# Altium PCB (0)SAT62088M-V1.3 0410.PcbDoc (part 1 of 2)
Units mm, origin at the board's own origin, x right, y up, seen from the top; angles counter-clockwise.
Board outline 68.13 x 50.13 mm, 2 copper layers (Top Layer, Bottom Layer); 136 components, 78 nets, 419 pads, 399 vias.
Unrouted connection lines stored in the file: 95.
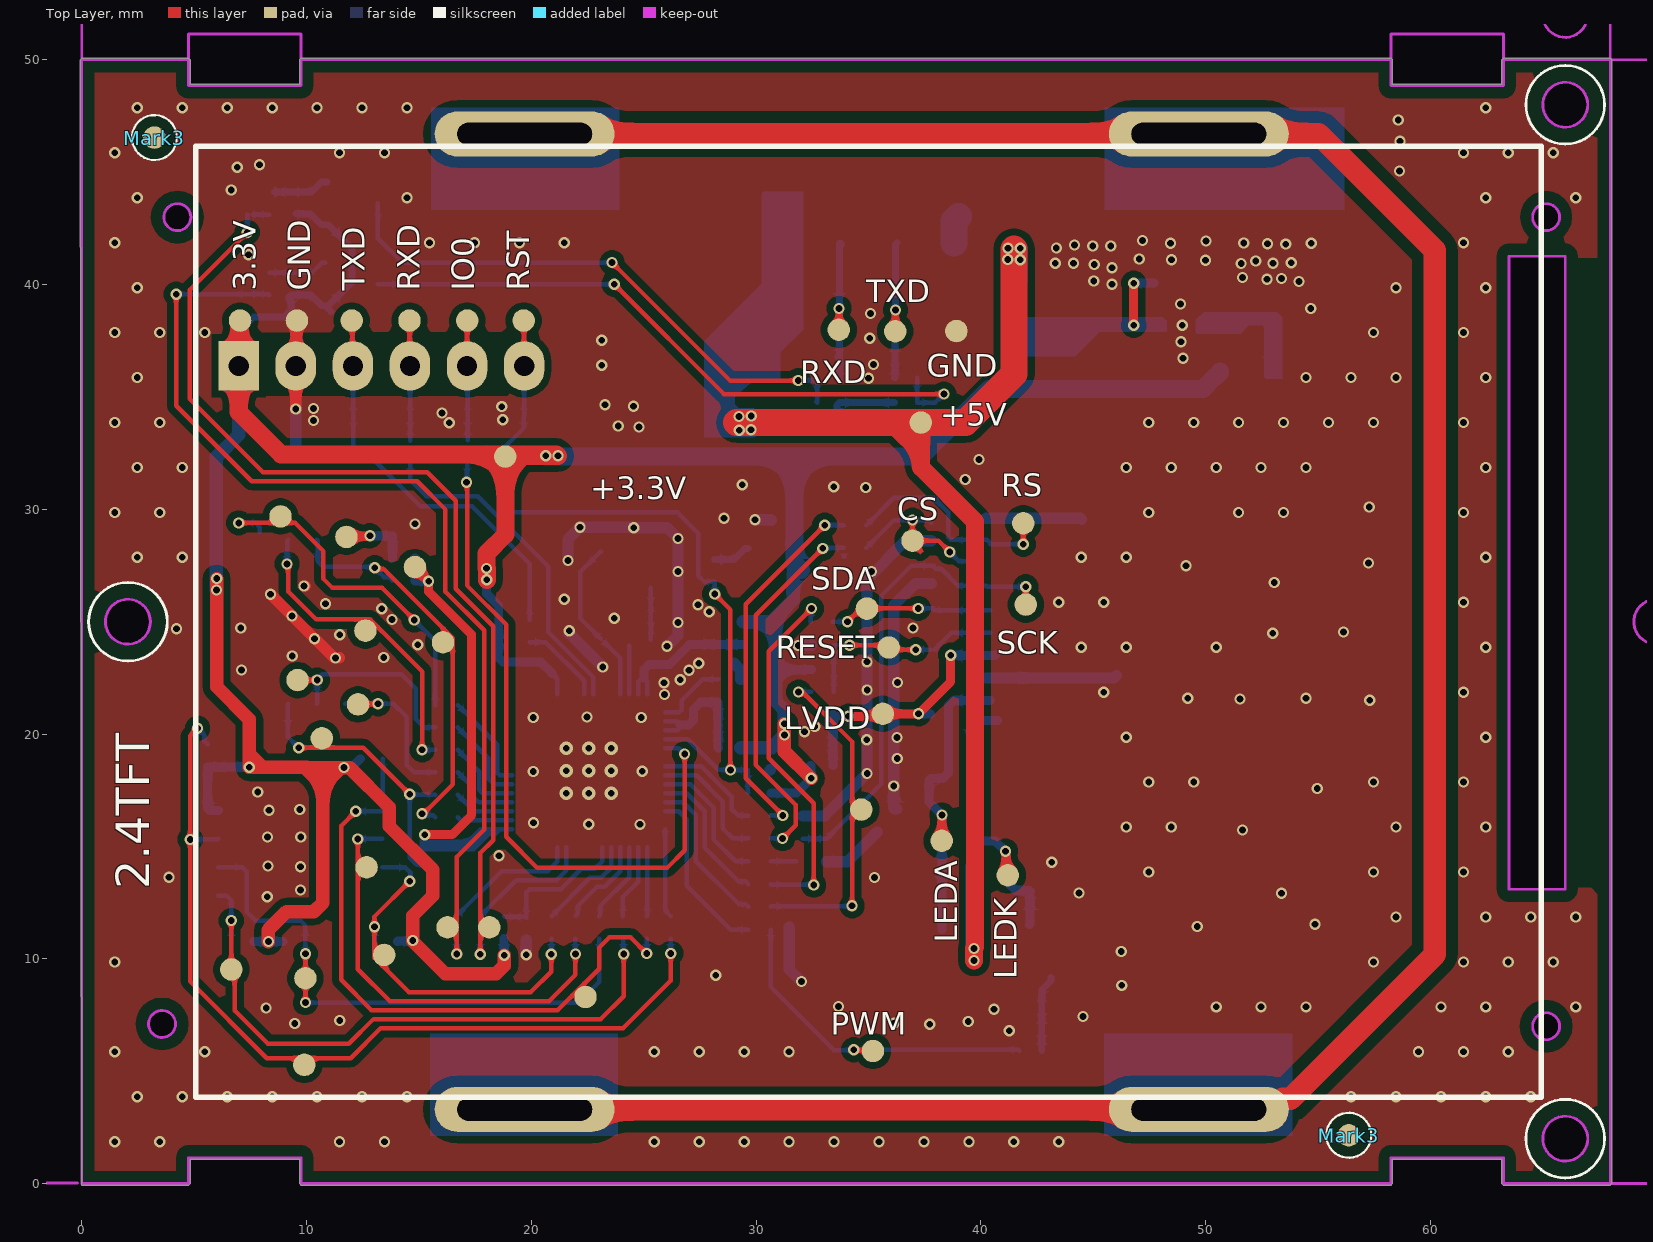
[diagram p0: Top Layer view]
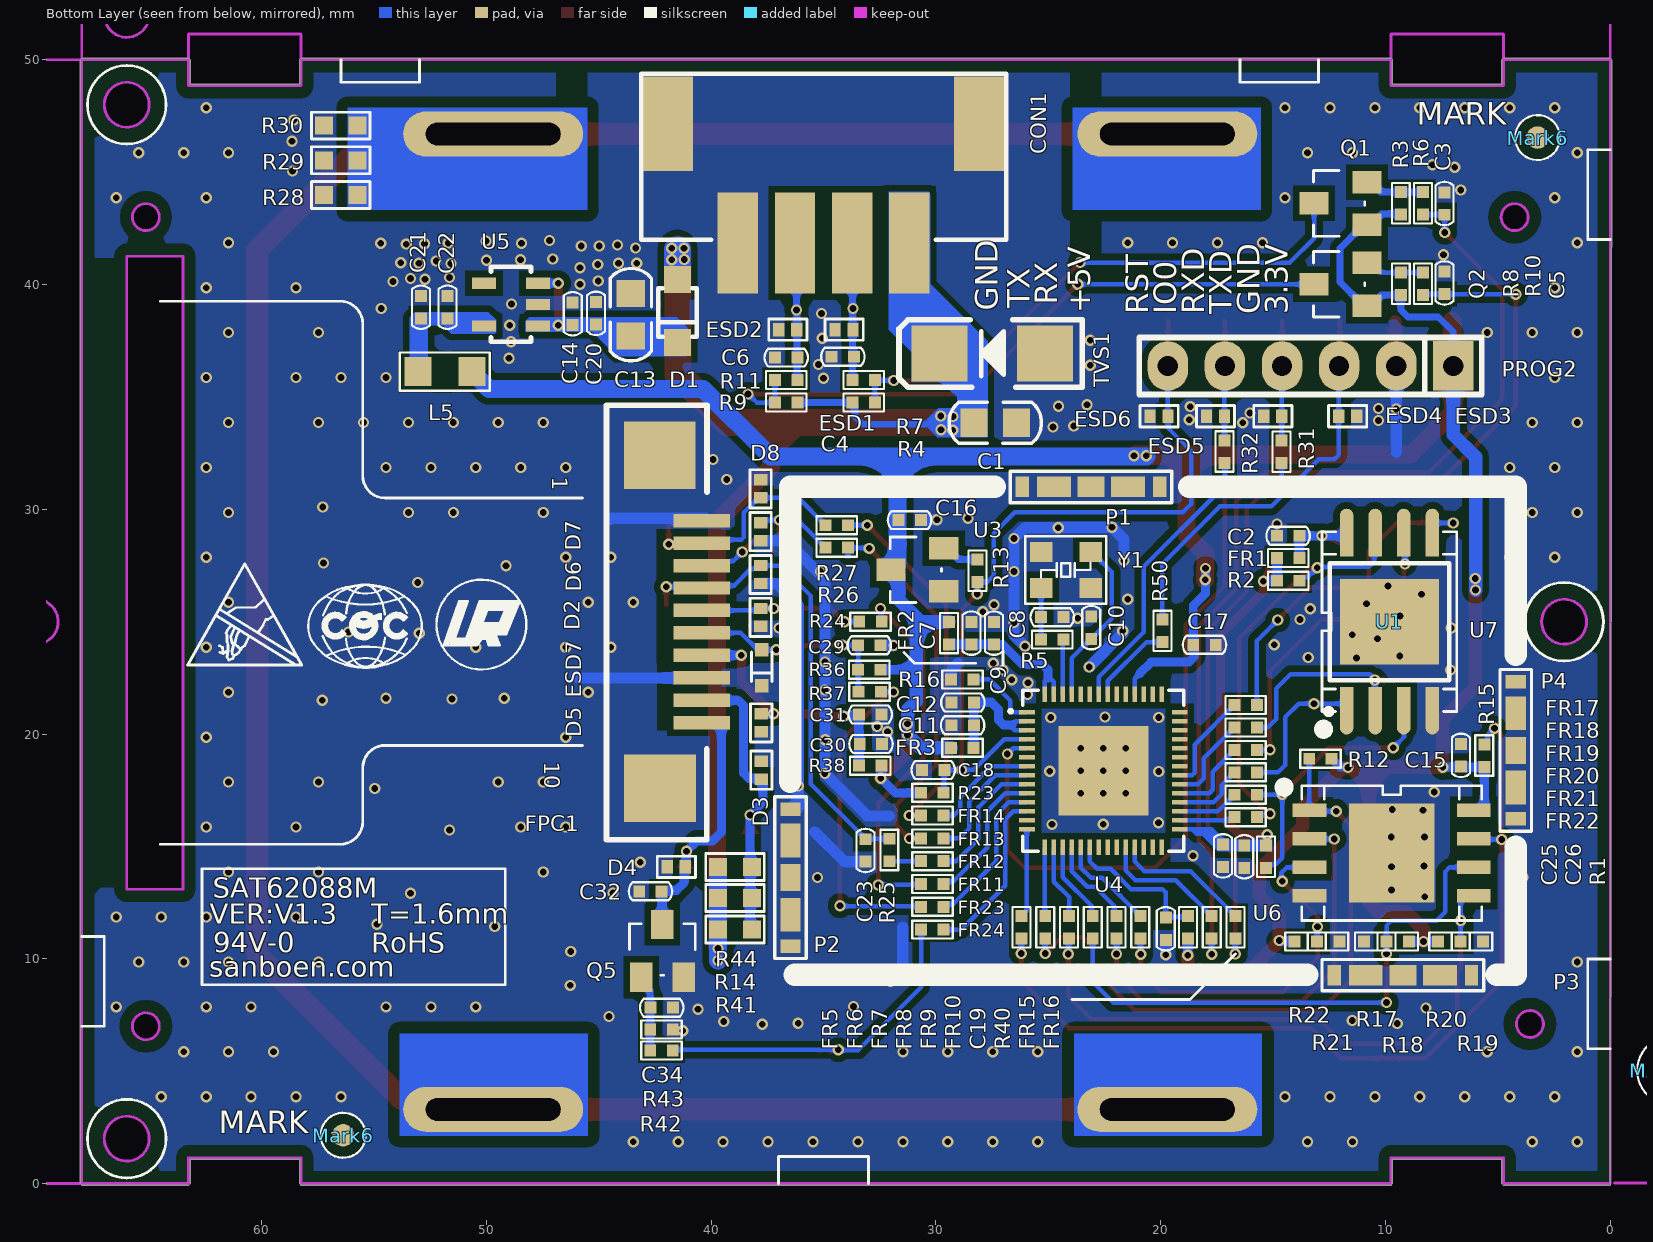
[diagram p1: Bottom Layer view, seen from below]

## Layer stack, top to bottom
Top Solder: solder mask 0.0102, Solder Resist, Dk 3.5
Top Layer: signal copper 0.0356
Dielectric 1: dielectric 0.32, FR-4, Dk 4.8
Bottom Layer: signal copper 0.0356
Bottom Solder: solder mask 0.0102, Solder Resist, Dk 3.5

## Board outline
0,-0.064 4.75,-0.064 4.814,0 4.814,1.086 9.686,1.086 9.686,0 9.75,-0.064 58.25,-0.064 58.314,0 58.314,1.086 63.186,1.086 63.186,0 63.25,-0.064 68,-0.064 68.064,0 68.064,50 68,50.064 63.25,50.064 63.186,50 63.186,48.914 58.314,48.914 58.314,50 58.25,50.064 9.75,50.064 9.686,50 9.686,48.914 4.814,48.914 4.814,50 4.75,50.064 0,50.064 -0.064,50
cut-out: 65,2 ccw(c66,2) 66,1 ccw(c66,2) 67,2 ccw(c66,2) 66,3 ccw(c66,2)
cut-out: 65,48 ccw(c66,48) 66,47 ccw(c66,48) 67,48 ccw(c66,48) 66,49 ccw(c66,48)
cut-out: 64.55,43 ccw(c65.15,43) 65.15,42.4 ccw(c65.15,43) 65.75,43 ccw(c65.15,43) 65.15,43.6 ccw(c65.15,43)
cut-out: 64.55,7 ccw(c65.15,7) 65.15,6.4 ccw(c65.15,7) 65.75,7 ccw(c65.15,7) 65.15,7.6 ccw(c65.15,7)
cut-out: 3.65,43 ccw(c4.25,43) 4.25,42.4 ccw(c4.25,43) 4.85,43 ccw(c4.25,43) 4.25,43.6 ccw(c4.25,43)
cut-out: 1.05,25 ccw(c2.05,25) 2.05,24 ccw(c2.05,25) 3.05,25 ccw(c2.05,25) 2.05,26 ccw(c2.05,25)
cut-out: 2.97,7.103 ccw(c3.57,7.103) 3.57,6.503 ccw(c3.57,7.103) 4.17,7.103 ccw(c3.57,7.103) 3.57,7.703 ccw(c3.57,7.103)
cut-out: 63.5,13.1 63.5,41.26 66,41.26 66,13.1

## Design rules (kind name [scope] priority, off if disabled: settings)
Clearance Clearance_1 [InNetClass('New Class')] p1: gap=0.2 ignorepadtopadclearanceinfootprint=FALSE except(0: Arc-Hole Track-Hole SMDPad-Hole THPad-Hole Via-Hole Fill-Hole Poly-Hole Region-Hole Text-Hole)
Clearance KEEP [OnLayer('Keep-Out Layer')] p2: gap=0.5 ignorepadtopadclearanceinfootprint=FALSE except(0: Arc-Hole Track-Hole SMDPad-Hole THPad-Hole Via-Hole Fill-Hole Poly-Hole Region-Hole Text-Hole)
Clearance SGND [InNet('S-GND')] p3: gap=0.5 ignorepadtopadclearanceinfootprint=FALSE except(0: Arc-Hole Track-Hole SMDPad-Hole THPad-Hole Via-Hole Fill-Hole Poly-Hole Region-Hole Text-Hole)
Clearance +5V [InNet('+5V')] p4: gap=0.3 ignorepadtopadclearanceinfootprint=FALSE except(0: Arc-Hole Track-Hole SMDPad-Hole THPad-Hole Via-Hole Fill-Hole Poly-Hole Region-Hole Text-Hole)
Clearance +5V_1 [InNet('+5V-IN')] p5: gap=0.3 ignorepadtopadclearanceinfootprint=FALSE except(0: Arc-Hole Track-Hole SMDPad-Hole THPad-Hole Via-Hole Fill-Hole Poly-Hole Region-Hole Text-Hole)
Clearance 3V3 [InNet('3V3')] p6: gap=0.3 ignorepadtopadclearanceinfootprint=FALSE except(0: Arc-Hole Track-Hole SMDPad-Hole THPad-Hole Via-Hole Fill-Hole Poly-Hole Region-Hole Text-Hole)
Clearance 3V3_1 [InNet('VDD3.3V')] p7: gap=0.3 ignorepadtopadclearanceinfootprint=FALSE except(0: Arc-Hole Track-Hole SMDPad-Hole THPad-Hole Via-Hole Fill-Hole Poly-Hole Region-Hole Text-Hole)
Clearance [All] p8: gap=0.3 ignorepadtopadclearanceinfootprint=FALSE except(0: Arc-Hole Track-Hole SMDPad-Hole THPad-Hole Via-Hole Fill-Hole Poly-Hole Region-Hole Text-Hole; 0.2: Arc-Arc Arc-Track Arc-SMDPad Arc-THPad Arc-Via Track-Track Track-SMDPad Track-THPad Track-Via)
PolygonConnect [All] p1: connectstyle=Direct reliefconductorwidth=0.254 reliefentries=4 polygonreliefangle="90 Angle" airgapwidth=0.254
RoutingVias [All] p1: holewidth=0.3 width=0.5 viastyle="Through Hole" minholewidth=0.3 minwidth=0.5 maxholewidth=0.3 maxwidth=0.5
SolderMaskExpansion [All] p1: expansion=0.102 istentingtop=FALSE
Width [All] p1: maxlimit=2 minlimit=0.2 preferedwidth=0.3
30 further rules are at their usual default settings.

## Components (designator, comment, footprint, x,y, rotation, side; value= is the part's Value field where it differs from the comment)
C1 "NC/22uF/25V" C-0805T 27.36,33.85 r180 bottom
C2 "0.1uF/50V" C-0402T 14.33,28.823 r0 bottom
C3 "NC/100pF/50V" C-0402T 7.373,43.605 r90 bottom
C4 "100pF/50V" C-0402T 34.14,36.79 r0 bottom
C5 "NC/100pF/50V" C-0402T 7.373,40.074 r90 bottom
C6 "100pF/50V" C-0402T 36.66,36.75 r0 bottom
C7 "10uF/10V" C-0402T 28.42,24.493 r90 bottom
C8 "9pF/50V" C-0402T 24.82,25.203 r180 bottom
C9 "0.1uF/50V" C-0402T 27.42,24.493 r90 bottom
C10 "9pF/50V" C-0402T 23.089,24.737 r90 bottom
C11 "10uF/10V" C-0402T 28.81,20.393 r0 bottom
C12 "0.1uF/50V" C-0402T 28.8,21.403 r0 bottom
C13 "22uF/25V" C-0805T 43.57,38.66 r270 bottom
C14 "0.1uF/50V" C-0402T 46.16,38.7 r270 bottom
C15 "0.1uF/50V" C-0402T 6.64,19.053 r90 bottom
C16 "0.1uF/50V" C-0402T 31.172,29.52 r180 bottom
C17 "0.1uF/50V" C-0402T 18.05,23.973 r180 bottom
C18 "NC/1uF/50V" C-0402T 30.12,18.403 r0 bottom
C19 "0.1uF/50V" C-0402T 19.772,11.338 r270 bottom
C20 "100pF/50V" C-0402T 45.12,38.72 r270 bottom
C21 "0.1uF/50V" C-0402T 52.91,38.99 r270 bottom
C22 "10uF/10V" C-0402T 51.73,38.99 r270 bottom
C23 "NC" C-0402T 33.13,14.823 r270 bottom
C25 "10uF/10V" C-0402T 17.23,14.583 r270 bottom
C26 "0.1uF/50V" C-0402T 16.28,14.543 r270 bottom
C29 "NC" C-0402T 32.96,23.953 r180 bottom
C30 "10uF/10V" C-0402T 32.89,19.563 r180 bottom
C31 "0.1uF/50V" C-0402T 32.92,20.873 r180 bottom
C32 "0.1uF/50V" C-0402T 42.7,13.003 r0 bottom
C34 "NC" C-0402T 42.2,7.827 r180 bottom
CON1 "XHB-4P-2.54mm 立式 不带扣" 立式贴片2.54-4P 35,44.5 r0 bottom locked
D1 "A7" SOD-123FL 41.5,38.83 r270 bottom
D2 "NC" 二极管-DFN-1006(0402) 37.8,25.193 r270 bottom
D3 "NC" 二极管-DFN-1006(0402) 37.76,18.393 r90 bottom
D4 "NC" 二极管-DFN-1006(0402) 41.55,14.093 r0 bottom
D5 "NC" 二极管-DFN-1006(0402) 37.77,20.503 r270 bottom
D6 "NC" 二极管-DFN-1006(0402) 37.8,27.1 r270 bottom
D7 "NC" 二极管-DFN-1006(0402) 37.8,29.007 r270 bottom
D8 "NC" 二极管-DFN-1006(0402) 37.8,30.913 r90 bottom
ESD1 "BV-FA05UCA" 二极管-DFN-1006(0402) 34.085,37.995 r0 bottom
ESD2 "BV-FA05UCA" 二极管-DFN-1006(0402) 36.59,38 r180 bottom
ESD3 "NC/BV-FA05UCA" 二极管-DFN-1006(0402) 11.68,34.14 r180 bottom
ESD4 "NC/BV-FA05UCA" 二极管-DFN-1006(0402) 15.01,34.14 r0 bottom
ESD5 "NC/BV-FA05UCA" 二极管-DFN-1006(0402) 17.56,34.14 r0 bottom
ESD6 "NC/BV-FA05UCA" 二极管-DFN-1006(0402) 20.07,34.14 r0 bottom
ESD7 "NC/LESD5Z3.3T1G 单向" SOD-523 37.75,22.943 r90 bottom
FPC1 "Pitch 1mm 10PIN 翻盖" FPC-10P-pitch1.00mm 41.35,25 r270 bottom
FR1 "磁珠 300R" R-0402T 14.32,27.833 r0 bottom
FR2 "磁珠 300R" R-0402T 29.42,24.493 r270 bottom
FR3 "磁珠 300R" R-0402T 28.82,19.39 r180 bottom
FR5 "0R" R-0402T 26.194,11.403 r90 bottom
FR6 "0R" R-0402T 25.136,11.403 r90 bottom
FR7 "0R" R-0402T 24.078,11.403 r90 bottom
FR8 "0R" R-0402T 23.02,11.403 r90 bottom
FR9 "0R" R-0402T 21.962,11.403 r90 bottom
FR10 "0R" R-0402T 20.904,11.403 r90 bottom
FR11 "0R" R-0402T 30.154,13.33 r180 bottom
FR12 "0R" R-0402T 30.154,14.345 r180 bottom
FR13 "0R" R-0402T 30.154,15.359 r180 bottom
FR14 "0R" R-0402T 30.154,16.374 r180 bottom
FR15 "0R" R-0402T 17.73,11.403 r90 bottom
FR16 "0R" R-0402T 16.672,11.403 r90 bottom
FR17 "0R" R-0402T 16.22,21.292 r0 bottom
FR18 "0R" R-0402T 16.22,20.294 r0 bottom
FR19 "0R" R-0402T 16.22,19.297 r0 bottom
FR20 "0R" R-0402T 16.22,18.299 r0 bottom
FR21 "0R" R-0402T 16.22,17.301 r0 bottom
FR22 "0R" R-0402T 16.22,16.303 r0 bottom
FR23 "0R" R-0402T 30.154,12.315 r180 bottom
FR24 "0R" R-0402T 30.154,11.301 r180 bottom
L5 "300R/磁珠" R-0805 51.85,36.13 r180 bottom
Mark3 "Mark点" MARK-0.4开窗 56.37,2.15 r90 top
Mark3 "Mark点" MARK-0.4开窗 3.23,46.54 r90 top
Mark6 "Mark点" MARK-0.4开窗 56.37,2.15 r90 bottom
Mark6 "Mark点" MARK-0.4开窗 3.23,46.54 r90 bottom
MARK14 "Mark点" MARK -2.7,5.03 r0 bottom
MARK14 "Mark点" MARK 138.5,5 r180 bottom
MARK14_1 "Mark点" MARK -2.69,181.67 r0 bottom
MARK14_1 "Mark点" MARK 138.49,181.64 r180 bottom
P1 "" 屏蔽夹子-大号6.5mm 23.1,31 r180 bottom
P2 "" 屏蔽夹子-大号6.5mm 36.47,13.613 r270 bottom
P3 "" 屏蔽夹子-大号6.5mm 9.22,9.273 r180 bottom
P4 "" 屏蔽夹子-大号6.5mm 4.2,19.273 r270 bottom
PROG2 "NC/SIP6" SIP6 6.98,36.38 r0 bottom
Q1 "2N7002" SOT-23-3* 12.023,43.61 r90 bottom
Q2 "2N7002" SOT-23-3* 12.023,40.014 r90 bottom
Q5 "AO3400A" SOT-23-MOS 42.17,10.377 r90 bottom
R1 "10K" R-0402T 15.31,14.543 r90 bottom
R2 "10K" R-0402T 14.32,26.823 r0 bottom
R3 "10K" R-0402T 9.313,43.615 r90 bottom
R4 "10K" R-0402T 33.21,34.75 r180 bottom
R5 "24nH" R-0402T 24.82,24.203 r0 bottom
R6 "33R" R-0402T 8.333,43.615 r90 bottom
R7 "100R" R-0402T 33.21,35.75 r180 bottom
R8 "10K" R-0402T 9.313,40.034 r90 bottom
R9 "10K" R-0402T 36.66,34.75 r0 bottom
R10 "100R" R-0402T 8.333,40.034 r270 bottom
R11 "33R" R-0402T 36.66,35.75 r180 bottom
R12 "4.7K" R-0402T 12.89,18.903 r0 bottom
R13 "100R" R-0402T 28.151,27.27 r90 bottom
R14 "68R" R-0603T 38.94,12.703 r0 bottom
R15 "NC/4.7K" R-0402T 5.6,19.043 r90 bottom
R16 "NC/50R" R-0402T 28.82,22.434 r0 bottom
R17 "NC/4.7K" R-0402T 10.451,10.77 r180 bottom
R18 "4.7K" R-0402T 9.451,10.77 r180 bottom
R19 "NC/4.7K" R-0402T 6.151,10.77 r0 bottom
R20 "4.7K" R-0402T 7.151,10.77 r0 bottom
R21 "NC/4.7K" R-0402T 12.551,10.77 r0 bottom
R22 "4.7K" R-0402T 13.551,10.77 r0 bottom
R23 "NC/10K" R-0402T 30.154,17.389 r0 bottom
R24 "33R" R-0402T 32.91,25.003 r180 bottom
R25 "33R" R-0402T 32.07,14.843 r270 bottom
R26 "33R" R-0402T 34.41,28.293 r180 bottom
R27 "33R" R-0402T 34.41,29.293 r180 bottom
R28 "0R/0603" R-0603T 56.48,43.99 r180 bottom
R29 "0R/0603" R-0603T 56.48,45.53 r180 bottom
R30 "0R/0603" R-0603T 56.48,47.07 r180 bottom
R31 "33R" R-0402T 14.62,32.56 r270 bottom
R32 "33R" R-0402T 17.16,32.57 r270 bottom
R36 "NC" R-0402T 32.97,22.863 r180 bottom
R37 "33R" R-0402T 32.95,21.883 r0 bottom
R38 "0R" R-0402T 32.924,18.595 r180 bottom
R40 "0R" R-0402T 18.788,11.403 r90 bottom
R41 "68R" R-0603T 38.94,11.313 r0 bottom
R42 "1K" R-0402T 42.21,5.917 r0 bottom
R43 "10K" R-0402T 42.21,6.857 r0 bottom
R44 "NC/68R" R-0603T 38.94,14.083 r0 bottom
R50 "499R 1%" R-0402T 19.92,24.593 r270 bottom
TVS1 "SMAJ6.0A" SMA-SMAF 27.49,36.93 r180 bottom
U1 "NC/W25Q128JVSIQ/ZB25VQ128ASIGT" W25Q32 9.82,25.003 r90 bottom
U3 "LP3809-263B3F" SOT-23-3* 30.851,27.31 r90 bottom
U4 "ESP32-S3-R2" QFN-56 22.551,18.37 r180 bottom
U5 "LP3987H-33B5F" SOT-23-5 47.7,38.158 r90 bottom
U6 "W25N01GVZEIG" SOP8-1+ 9.72,14.703 r0 bottom
U7 "GD25Q256EYIGR" SOP8-1+ 9.82,25.003 r270 bottom
Y1 "40MHZ/8PF" "CRYSTAL SMT:NX3225GA" 24.22,27.303 r0 bottom

## Footprints (in the part's own frame and the unit in brackets; to place one, negate y for a bottom-side part, rotate by r counter-clockwise, add the part's x,y. Pads: shape width x height; smd on the part's side, far side on the other; paste and mask are expansions set on the pad)
C-0402T [mm]
  rect 0.53x0.53 smd: 1(-0.5,0) 2(0.5,0)
  silkscreen extent -0.97,-0.4 0.97,0.4
C-0805T [mm]
  rect 1.2x1.27 smd: 1(-0.95,0) 2(0.95,0)
  silkscreen extent -2.05,-0.91 2.05,0.91, body extent -1.01,-0.61 0.99,0.64, height 0.78
"CRYSTAL SMT:NX3225GA" [mm]
  rect 1x0.9 smd: 1(-1.1,-0.8) 2(1.1,-0.8) 3(1.1,0.8) 4(-1.1,0.8)
  silkscreen extent -1.8,-1.5 1.8,1.5
FPC-10P-pitch1.00mm [mm]
  rect 0.6x2.5 smd: 1(-4.5,0.935) 2(-3.5,0.935) 3(-2.5,0.935) 4(-1.5,0.935) 5(-0.5,0.935) 6(0.5,0.935) 7(1.5,0.935) 8(2.5,0.935) 9(3.5,0.935) 10(4.5,0.935)
  rect 3x3.2 smd: 11(-7.4,-0.935) 11(7.4,-0.925)
  silkscreen extent -9.63,-3.31 9.7,1.16
MARK [mm]
  round 1 smd paste-2539.97 mask+1: ""(0,0)
  Top Layer pour cut-out: 0,1.5 -0.574,1.386 -1.061,1.061 -1.386,0.574 -1.5,0 -1.5,0 -1.386,-0.574 -1.061,-1.061 -0.574,-1.386 0,-1.5 0,-1.5 0.574,-1.386 1.061,-1.061 1.386,-0.574 1.5,0 1.5,0 1.386,0.574 1.061,1.061 0.574,1.386 0,1.5
  silkscreen extent -1.5,-1.5 1.5,1.5
MARK-0.4开窗 [mm]
  round 1 smd paste+0 mask+0.4: ""(0,0)
  Top Layer pour cut-out: 0,-1 -0.383,-0.924 -0.707,-0.707 -0.924,-0.383 -1,0 -1,0 -0.924,0.383 -0.707,0.707 -0.383,0.924 0,1 0,1 0.383,0.924 0.707,0.707 0.924,0.383 1,0 1,0 0.924,-0.383 0.707,-0.707 0.383,-0.924 0,-1
  silkscreen extent -1,-1 1,1
QFN-56 [mm]
  rect 0.7x0.2 smd: 1(-3.4,2.6) 2(-3.4,2.2) 3(-3.4,1.8) 4(-3.4,1.4) 5(-3.4,1) 6(-3.4,0.6) 7(-3.4,0.2) 8(-3.4,-0.2) 9(-3.4,-0.6) 10(-3.4,-1) 11(-3.4,-1.4) 12(-3.4,-1.8) 13(-3.4,-2.2) 14(-3.4,-2.6) 29(3.4,-2.6) 30(3.4,-2.2) 31(3.4,-1.8) 32(3.4,-1.4) 33(3.4,-1) 34(3.4,-0.6) 35(3.4,-0.2) 36(3.4,0.2) 37(3.4,0.6) 38(3.4,1) 39(3.4,1.4) 40(3.4,1.8) 41(3.4,2.2) 42(3.4,2.6)
  rect 0.2x0.7 smd: 15(-2.6,-3.4) 16(-2.2,-3.4) 17(-1.8,-3.4) 18(-1.4,-3.4) 19(-1,-3.4) 20(-0.6,-3.4) 21(-0.2,-3.4) 22(0.2,-3.4) 23(0.6,-3.4) 24(1,-3.4) 25(1.4,-3.4) 26(1.8,-3.4) 27(2.2,-3.4) 28(2.6,-3.4) 43(2.6,3.4) 44(2.2,3.4) 45(1.8,3.4) 46(1.4,3.4) 47(1,3.4) 48(0.6,3.4) 49(0.2,3.4) 50(-0.2,3.4) 51(-0.6,3.4) 52(-1,3.4) 53(-1.4,3.4) 54(-1.8,3.4) 55(-2.2,3.4) 56(-2.6,3.4)
  rect 4x4 smd: 57(0,0)
  silkscreen extent -4.2,-3.58 3.58,3.58
R-0402T [mm]
  rect 0.53x0.53 smd: 1(-0.5,0) 2(0.5,0)
  silkscreen extent -0.9,-0.4 0.9,0.4
R-0603T [mm]
  rect 0.8x0.8 smd: 1(-0.75,0) 2(0.75,0)
  silkscreen extent -1.3,-0.6 1.3,0.6, body extent -0.8,-0.4 0.8,0.4, height 0.45
R-0805 [mm]
  rect 1.2x1.3 smd: 1(-1.2,0) 2(1.2,0)
  silkscreen extent -2,-0.85 2,0.85, body extent -1.02,-0.61 0.98,0.64, height 0.78
SIP6 [mm]
  rect 1.8x2.2 hole 0.9: 1(0,0)
  oval 1.8x2.2 hole 0.9: 2(2.54,0) 3(5.08,0) 4(7.62,0) 5(10.16,0) 6(12.7,0)
  silkscreen extent -1.27,-1.27 13.97,1.27
SMA-SMAF [mm]
  rect 2.5x2.5 smd: 1(2.35,0) 2(-2.35,0)
  silkscreen extent -4.15,-1.5 4,1.5, body extent -2.74,-1.39 2.74,1.4, height 2.44
SOD-123FL [mm]
  rect 1.2x1.2 smd: A(-1.4,0) K(1.4,0)
  silkscreen extent -1.02,-0.85 1.14,0.85
SOD-523 [mm]
  rect 0.6x0.6 smd: 1(0.8,0) 2(-0.8,0)
  silkscreen extent -0.6,-0.45 0.7,0.45
SOP8-1+ [mm]
  rect 1.5x0.6 smd: 1(3.654,-1.904) 2(3.654,-0.634) 3(3.654,0.636) 4(3.654,1.906) 5(-3.646,1.906) 6(-3.646,0.636) 7(-3.646,-0.634) 8(-3.646,-1.904)
  rect 3.8x4.4 smd: 9(0,0)
  silkscreen extent -4,-3.23 5.09,3
SOT-23-3* [mm]
  rect 1x1.3 smd: 1(-0.95,-1.2) 2(0.95,-1.2) 3(0,1.15)
  silkscreen extent -1.46,-1.1 1.46,1.18, body extent -1.45,-1.45 1.45,1.35
SOT-23-5 [mil]
  rect 19.68x42 smd: 1(0,0) 2(37.5,0) 3(75,0) 4(75,94.87) 5(0,94.87)
  silkscreen extent -27,12 104,82
SOT-23-MOS [mm]
  rect 1.3x1 smd: D(1.15,0) G(-1.2,0.95) S(-1.2,-0.95)
  silkscreen extent -1.1,-1.46 1.18,1.46, body extent -1.45,-1.45 1.35,1.45
W25Q32 [mm] "SOIC, 8-Leads, Body 8.00x5.30mm, Pitch 1.27mm, IPC Medium Density"
  oval 2.05x0.6 smd: 1(-4,1.905) 2(-4,0.635) 3(-4,-0.635) 4(-4,-1.905) 5(4,-1.905) 6(4,-0.635) 7(4,0.635) 8(4,1.905)
  silkscreen extent -4.12,-2.65 2.6,2.83
二极管-DFN-1006(0402) [mm]
  rect 0.5x0.6 smd: 1(-0.4,0) 2(0.4,0)
  silkscreen extent -0.85,-0.48 0.85,0.48
屏蔽夹子-大号6.5mm [mm]
  rect 0.6x0.9 smd: 1(-3.05,0) 1(3.05,0)
  rect 1.5x0.9 smd: 1(-1.65,0) 1(1.65,0)
  rect 1.2x0.9 smd: 1(0,0)
  silkscreen extent -3.6,-0.7 3.6,0.7
立式贴片2.54-4P [mm] "A2501WF-04A(2.54-4P 立式) SMD"
  rect 2.4x4.2 smd: 0(-7,-2.65) 0(7,-2.65)
  rect 1.8x4.5 smd: 1(-3.81,2.65) 2(-1.27,2.65) 3(1.27,2.65) 4(3.81,2.65)
  silkscreen extent -8.12,-4.87 8.12,2.51

## Part data
C1 C15: library part 电容-CAP-瓷片, "贴片电容 10% 50V"
C2: library part CAP
C3 C4 C5 C6 C13 C14 C20 C21 C23 C29 C30 C31 C34: library part CAP, "贴片电容 10% 50V"
C7 C8 C9 C10 C11 C12 C16 C17 C18 C19 C22 C25 C26 C32: library part CAP, "Capacitor"
CON1: library part "Header 4", "Header, 4-Pin"
D1: library part 二极管-Diode, "通用二极管"
D2 D3 D4 D5 D6 D7 D8 ESD1 ESD2 ESD3 ESD4 ESD5 ESD6: library part 二极管-Diode_TVS_2, "双向TVS"
ESD7: library part ESD9X3.3ST5G
FPC1: library part "Header 11", "Header, 11-Pin"
FR1 FR2 FR3 FR5 FR6 FR7 FR8 FR9 FR10 FR11 FR12 FR13 FR14 FR15 FR16 FR17 FR18 FR19 FR20 FR21 FR22 FR23 FR24 R1 R2 R3 R4 R5 R7 R8 R9 R10 R12 R14 R15 R17 R18 R19 R20 R21 R22 R23 R28 R29 R30 R31 R32 R40 R41 R42 R43 R44 R50: library part RES
L5: library part L
P1 P2 P3 P4: library part P6.5X0.8
PROG2: library part CON6, "连接器"
Q1 Q2: library part NMOS-2, "N-Channel Power MOSFET"
Q5: library part MOS-N, "NMOS"
R6 R11 R13 R24 R25 R26 R27 R36 R37 R38: library part RES, "贴片电阻 1%"
R16: library part 电阻-RES, "贴片电阻 1%"
TVS1: library part "D Zener", "Zener Diode"
U1: library part AT25010_3
U3: library part SA1117, "SA1117"
U4: library part ESP32-S3
U5: library part LDO-XC6228
U6: library part 存储器W25N01GVZEIG
U7: "QSPI FLASH"
Y1: library part CRY

## Free pads (board coordinates)
  oval 8x2 hole 1 slot 6 at 0 deg mask+0.102: 0(19.7,3.3) 0(19.7,46.7) 0(49.7,3.3) 0(49.7,46.7)
  round 1 smd paste+0: 2(6.651,9.527) 2(8.84,29.683) 2(9.6,22.403) 2(9.9,5.283) 2(9.95,9.138) 2(12.62,24.603) 2(34.93,25.583) 2(35.64,20.903) 2(35.901,23.853) 2(36.19,37.92) 2(36.96,28.607) 2(38.26,15.253) 2(38.91,37.93) 2(41.2,13.718) 2(41.89,29.38) 2(42,25.763) 3(35.2,5.9) 5(12.67,14.073) 7(16.07,24.083) 9(12.29,21.323) 15(14.82,27.433) 16(34.68,16.643) 18(33.68,37.99) 19(13.45,10.173) 21(16.272,11.403) 22(18.13,11.403) 23(17.149,38.398) 24(19.659,38.398) 25(14.579,38.398) 26(9.57,38.4) 26(12.009,38.398) 27(7.04,38.4) 28(22.41,8.303) 29(10.68,19.813) 30(11.774,28.773) 31(37.33,33.86) 32(18.84,32.35)

## Via types
v1: diameter 0.5, hole 0.3, Top Layer to Bottom Layer, tented both sides, 390 vias
v2: diameter 0.6, hole 0.3, Top Layer to Bottom Layer, tented both sides, 9 vias

## Nets (pads, with @x,y where several pads share a name; then routed paths per layer and width w, separated by ;. In a path a pad name is that pad's centre, name@x,y a point inside that pad or via, vN(x,y) a via of type N, cw(c..) or ccw(c..) an arc to the next point about the centre after c; other vN are vias at no path point)
3V3: C21.2 C22.2 L5.1 U5.5 | length 5.4
  Bottom Layer w0.4: U5.5@50.11,38.158 51.397,38.158 C22.2@51.73,38.49 C21.2@52.91,38.49 52.91,36.27 L5.1@53.05,36.13
32-CS: FR13.2 U4.8 | length 5.6
  Bottom Layer w0.2: U4.8@25.951,18.17 27.354,18.17 28.52,17.003 28.52,15.803 28.964,15.359 FR13.2@29.654,15.359
32-PWM: FR24.2 U4.12 | length 7.6
  Bottom Layer w0.2: U4.12@25.951,16.57 26.554,16.57 26.92,16.203 26.92,13.253 28.872,11.301 FR24.2@29.654,11.301
32-RESET: FR23.2 U4.11 | length 6.8
  Bottom Layer w0.2: U4.11@25.951,16.97 26.754,16.97 27.32,16.403 27.32,14.343 29.224,12.439 29.53,12.439 FR23.2@29.654,12.315
32-RS: FR14.2 U4.7 | length 4.9
  Bottom Layer w0.2: U4.7@25.951,18.57 27.554,18.57 28.92,17.203 28.92,16.663 29.206,16.377 29.652,16.377 FR14.2@29.654,16.374
32-SCK: FR12.2 U4.9 | length 6
  Bottom Layer w0.2: U4.9@25.951,17.77 27.085,17.77 28.12,16.735 28.12,15.314 29.089,14.345 FR12.2@29.654,14.345
32-SDA: FR11.2 U4.10 | length 6.3
  Bottom Layer w0.2: U4.10@25.951,17.37 26.919,17.37 27.72,16.569 27.72,14.943 29.217,13.447 29.538,13.447 FR11.2@29.654,13.33
+5V: C1.1 CON1.1 D1.A pad.31 R4.1 R9.1 R14.2 R41.2 R44.2 TVS1.2 | length 68.9
  Top Layer w0.8: 36,33.86 36.05,33.86 37.33,32.58 ; pad.31@37.33,33.86 37.33,32.58 ; v1(39.69,10.463) 39.745,10.518 39.745,29.455 37.33,31.87 37.33,32.58 ; v1@39.7,9.923 v1@39.7,10.463
  Top Layer w1.2: 29.139,33.86 29.25,33.86 29.77,33.86 36,33.86 ; 36.05,33.86 pad.31@37.33,33.86 38.61,33.86 39.32,33.86 41.48,36.02 41.48,41.59
  Bottom Layer w0.3: 29.417,33.86 29.487,33.79 30.074,33.79 ; v1(29.77,33.54) 29.824,33.54 30.074,33.79 ; v1(29.78,34.15) 29.834,34.15 30.194,33.79 ; CON1.1@31.17,41.83 CON1.1@31.19,41.85 ; R9.1@36.16,34.75 R4.1@33.71,34.75 33.595,34.635 33.595,34.125 33.26,33.79 30.194,33.79 ; 30.074,33.79 30.194,33.79
  Bottom Layer w0.8: v1(39.69,9.923) R41.2@39.69,11.313 R14.2@39.69,12.703 R44.2@39.69,14.083
  Bottom Layer w1.2: C1.1@28.31,33.85 28.31,35.11 29.19,35.99 29.19,36.28 29.55,36.64 29.84,36.64 31.19,37.99 CON1.1@31.19,41.85 ; D1.A@41.5,40.23 41.5,41.55
  other v1: 29.25,33.52 29.24,34.13 41.75,41.11 41.2,41.12 41.21,41.62 41.75,41.62
+5V-IN: C13.2 C14.2 C20.2 D1.K U5.1 U5.3 | length 8.8
  Top Layer w0.4: v1(46.8,38.19) v1(46.8,40.06)
  Bottom Layer w0.4: D1.K@41.93,37.71 43.62,37.71 44.7,37.71 45.21,38.22 45.241,38.189 46.16,38.189 v1(46.8,38.19) 47.669,38.189 U5.1@47.7,38.158 ; v1(46.8,40.06) v1(46.8,40.06) 47.699,40.061 U5.3@47.7,40.063
BL-PWM: FR24.1 pad.3 R42.1 | length 15.7
  Top Layer w0.2: v1(34.341,5.959) 34.371,5.929 34.836,5.929 34.866,5.959 pad.3@35.2,5.9
  Bottom Layer w0.2: FR24.1@30.654,11.301 30.654,8.749 33.461,5.943 34.325,5.943 v1(34.341,5.959) 41.669,5.959 R42.1@41.71,5.917
CHIP-PU: C18.1 ESD6.1 pad.24 PROG2.6 R13.1 R23.1 U4.4 | length 34.6
  Top Layer w0.2: pad.24@19.659,38.398 19.67,38.388 19.67,36.39 PROG2.6@19.68,36.38 ; v1(28.16,26.233) 28.86,25.533 v1(28.86,18.403)
  Bottom Layer w0.2: PROG2.6@19.68,36.38 19.675,36.375 19.675,34.145 ESD6.1@19.67,34.14 19.67,33.62 18.65,32.6 18.65,30.227 19.014,29.863 26.49,29.863 27.43,28.923 27.43,27.043 27.704,26.77 R13.1@28.151,26.77 28.156,26.765 28.156,26.238 v1(28.16,26.233) ; U4.4@25.951,19.77 26.954,19.77 28.31,18.413 28.85,18.413 v1(28.86,18.403) C18.1@29.62,18.403 29.637,18.386 29.637,17.406 R23.1@29.654,17.389
CS: D7.1 FPC1.3 pad.2@36.96,28.607 R26.1 | length 8
  Top Layer w0.2: v1(36.96,29.523) 36.96,28.493 37.073,28.607 38.113,28.607 v1(38.62,28.1)
  Bottom Layer w0.2: R26.1@34.91,28.293 36.14,29.523 37.683,29.523 D7.1@37.8,29.407 ; v1(38.62,28.1) 39.02,27.7 39.918,27.7 FPC1.3@40.028,27.59
ESP32-RX: FR16.2 U4.25 | length 6.1
  Bottom Layer w0.2: FR16.2@16.672,11.903 18.672,13.903 20.72,13.903 21.151,14.335 U4.25@21.151,14.97
ESP32-RX-: C5.1 FR16.1 pad.21 R10.2 | length 44.7
  Top Layer w0.2: v1(4.2,39.57) 4.2,34.61 7.56,31.25 14.92,31.25 16.18,29.99 16.18,26.333 17.9,24.613 17.9,15.753 16.68,14.533 v1(16.68,10.213)
  Bottom Layer w0.2: v1@4.195,39.574 8.293,39.574 R10.2@8.333,39.534 ; FR16.1@16.672,10.903 16.676,10.899 16.676,10.217 v1(16.68,10.213)
ESP32-TX: FR15.2 U4.24 | length 5.7
  Bottom Layer w0.2: FR15.2@17.73,11.903 19.33,13.503 21.12,13.503 21.551,13.935 U4.24@21.551,14.97
ESP32-TX-: C3.1 FR15.1 pad.22 R6.1 | length 45.5
  Top Layer w0.2: v1(7.36,42.32) 4.8,39.76 4.8,34.91 8.06,31.65 15.37,31.65 16.64,30.38 16.64,26.465 18.3,24.805 18.3,15.283 17.73,14.713 17.73,11.403 v1(17.73,10.203)
  Bottom Layer w0.2: v1(7.36,42.32) 7.366,42.326 7.366,43.099 C3.1@7.373,43.105 ; C3.1@7.607,43.115 R6.1@8.333,43.115 ; v1(17.73,10.203) FR15.1@17.73,10.903
FSPICLK: FR8.2 U4.17 | length 3.6
  Bottom Layer w0.2: FR8.2@23.02,11.903 23.068,11.951 23.068,12.351 24.351,13.635 U4.17@24.351,14.97
FSPICS0: FR6.2 U4.15 | length 3.1
  Bottom Layer w0.2: FR6.2@25.136,11.903 25.151,11.919 U4.15@25.151,14.97
FSPID: FR7.2 U4.16 | length 3.3
  Bottom Layer w0.2: FR7.2@24.078,11.903 24.078,12.761 24.751,13.435 U4.16@24.751,14.97
FSPIHD: FR5.2 U4.14 | length 4
  Bottom Layer w0.2: U4.14@25.951,15.77 25.951,12.146 FR5.2@26.194,11.903
FSPIQ: FR9.2 U4.18 | length 4.1
  Bottom Layer w0.2: FR9.2@21.974,11.915 22.068,12.009 22.068,12.351 22.92,13.203 23.262,13.203 23.951,13.893 U4.18@23.951,14.97
FSPIWP: FR10.2 U4.19 | length 4.5
  Bottom Layer w0.2: FR10.2@20.904,11.903 22.604,13.603 23.096,13.603 23.551,14.058 U4.19@23.551,14.97
GND: C1.2 C2.2 C3.2 C4.2 C5.2 C6.2 C7.2 C8.2 C9.2 C10.2 C11.2 C12.2 C13.1 C14.1 C15.2 C16.2 C17.2 C18.2 C19.2 C20.1 C21.1 C22.1 C23.2 C25.2 C26.2 C29.2 C30.2 C31.2 C32.2 C34.2 CON1.0 CON1.4 D2.2 D3.2 D4.2 D5.2 D6.2 D7.2 D8.2 ESD1.2 ESD2.1 ESD3.2 ESD4.2 ESD5.2 ESD6.2 ESD7.2 FPC1.1 FPC1.8 FPC1.11 P1.1 P2.1 P3.1 P4.1 pad.2@38.91,37.93 pad.26@9.57,38.4 PROG2.2 Q5.S R16.2 R17.1 R19.1 R21.1 R28.1 R29.1 R30.1 R43.1 TVS1.1 U1.4 U3.1 U4.57 U5.2 U6.4 U6.9 U7.4 U7.9 Y1.2 Y1.4 | length 72.5
  Top Layer w0.5: v1(8.39,26.223) v1@10.36,24.253 ; v1(9.52,34.46) PROG2.2@9.52,36.38 9.545,36.405 9.545,38.375 pad.26@9.57,38.4 ; v1(9.89,26.593) v1@9.95,26.593 ; v1(10.35,24.243) 10.37,24.243 11.23,23.383 11.45,23.383 v1@11.47,23.403
  Bottom Layer w0.5: 9.52,32.54 v1(9.52,34.46) PROG2.2@9.52,36.38 ; v1(19.77,10.183) 19.77,10.836 C19.2@19.772,10.838 ; v1(21.63,27.723) 21.63,28.67 v1(22.163,29.203) 24.54,29.203 v1(24.56,29.183) 26.04,29.183 v1(26.52,28.703) v1(26.52,27.233) 26.52,24.388 v1(26.035,23.903) ; v1(21.69,24.603) 21.69,24.469 v1(23.179,22.98) ; v1(27.41,25.753) v1@27.42,25.743 ; 29.012,23.153 29.305,22.86 29.305,22.449 R16.2@29.32,22.434 ; v1(29.95,29.533) 30.658,29.533 C16.2@30.672,29.52 ; C18.2@30.62,18.403 C18.2@30.635,18.418 ; 31.47,11.413 31.47,9.533 v1(32.016,8.987) ; v1(31.87,23.943) 32.45,23.943 C29.2@32.46,23.953 ; 32.061,16.353 33.05,16.353 v1(34.94,18.243) 34.94,19.723 v1(34.92,19.743) 34.94,19.763 v1(34.94,21.963) v1@34.94,23.213 ; C23.2@33.145,14.308 C23.2@33.13,14.323 34.07,14.323 35.39,15.643 ; v1(34.93,23.213) 34.93,26.883 36.653,28.607 D7.2@37.8,28.607 ; P2.1@36.26,16.663 36.17,16.663 36.12,16.713 36.12,25.723 37.097,26.7 D6.2@37.8,26.7 ; FPC1.8@40.235,22.5 45.92,22.5 46.03,22.61 ; FPC1.1@40.235,29.603 44.42,29.603 44.48,29.543
  Bottom Layer w1.2: CON1.4@38.81,41.85 38.81,42.83 CON1.4@39.01,43.03
  other v1: 1.469,1.864 3.469,1.864 11.469,1.864 13.469,1.864 25.469,1.864 27.469,1.864 29.469,1.864 31.469,1.864 33.469,1.864 35.469,1.864 37.469,1.864 39.469,1.864 41.469,1.864 43.469,1.864 2.469,3.864 4.469,3.864 6.469,3.864 8.469,3.864 10.469,3.864 12.469,3.864 14.469,3.864 56.469,3.864 58.469,3.864 60.469,3.864 62.469,3.864 64.469,3.864 1.469,5.864 5.469,5.864 25.469,5.864 27.469,5.864 29.469,5.864 31.469,5.864 59.469,5.864 61.469,5.864 63.469,5.864 41.26,6.8 37.73,7.09 9.47,7.123 36.13,7.13 39.44,7.21 11.48,7.253 44.54,7.43 40.59,7.76 8.2,7.813 50.469,7.864 52.469,7.864 54.469,7.864 60.469,7.864 62.469,7.864 66.469,7.864 33.67,7.88 46.27,8.82 28.21,9.273 1.469,9.864 57.469,9.864 61.469,9.864 63.469,9.864 65.469,9.864 46.25,10.33 46.25,10.33 49.63,11.44 54.87,11.54 58.469,11.864 62.469,11.864 64.469,11.864 66.469,11.864 8.25,12.763 53.38,12.92 44.37,12.933 9.73,13.063 3.88,13.633 35.27,13.623 47.469,13.864 57.469,13.864 61.469,13.864 9.73,14.093 8.28,14.133 43.15,14.303 18.56,14.583 8.26,15.423 9.74,15.423 51.64,15.73 46.469,15.864 48.469,15.864 58.469,15.864 62.469,15.864 22.55,15.993 24.83,15.983 20.1,16.053 8.33,16.613 9.7,16.643 7.83,17.423 54.97,17.58 36.12,17.693 47.469,17.864 49.469,17.864 57.469,17.864 61.469,17.864 20.09,18.333 24.93,18.343 36.28,18.913 36.27,19.853 46.469,19.864 62.469,19.864 32.15,20.103 32.61,20.343 20.08,20.743 24.89,20.743 22.48,20.763 57.3,21.51 51.53,21.56 49.21,21.59 54.47,21.59 25.92,21.763 45.469,21.864 61.469,21.864 25.9,22.283 36.29,22.293 26.63,22.413 7.1,22.853 27.02,22.843 27.45,23.153 11.29,23.383 13.43,23.403 9.36,23.473 44.469,23.864 46.469,23.864 50.469,23.864 62.469,23.864 14.95,23.973 11.48,24.423 52.99,24.49 56.13,24.54 4.21,24.69 7.07,24.723 36.98,24.723 26.53,24.963 13.8,25.103 23.69,25.153 9.35,25.253 27.92,25.443 13.34,25.573 10.84,25.803 43.469,25.864 45.469,25.864 61.469,25.864 21.46,26.003 53.05,26.74 35.13,27.233 49.13,27.49 57.25,27.61 2.469,27.864 4.469,27.864 44.469,27.864 46.469,27.864 62.469,27.864 14.82,29.353 28.57,29.603 1.469,29.864 3.469,29.864 47.469,29.864 51.469,29.864 53.469,29.864 61.469,29.864 57.28,30.1 34.88,30.973 33.46,31.003 29.38,31.093 39.31,31.323 2.469,31.864 4.469,31.864 46.469,31.864 48.469,31.864 50.469,31.864 52.469,31.864 54.469,31.864 62.469,31.864 39.92,32.22 24.79,33.66 23.87,33.71 16.35,33.85 1.469,33.864 3.469,33.864 47.469,33.864 49.469,33.864 51.469,33.864 53.469,33.864 55.469,33.864 57.469,33.864 61.469,33.864 10.31,33.95 18.73,33.99 16.03,34.29 10.31,34.49 18.68,34.57 24.55,34.59 23.28,34.65 35,35.83 2.469,35.864 54.469,35.864 56.469,35.864 58.469,35.864 62.469,35.864 23.13,36.41 35.22,36.44 48.99,36.72 48.905,37.459 23.13,37.52 35.06,37.61 1.469,37.864 3.469,37.864 5.469,37.864 57.469,37.864 61.469,37.864 48.96,38.19 35.09,38.71 54.68,38.94 48.88,39.14 2.469,39.864 58.469,39.864 62.469,39.864 45.84,40.01 54.15,40.14 45.02,40.16 52.73,40.24 53.38,40.27 51.64,40.31 45.84,40.75 45.04,40.89 43.31,40.95 44.12,40.95 51.58,40.94 53,40.95 53.81,40.97 52.23,41.05 49.99,41.08 48.48,41.11 47.05,41.14 7.42,41.33 43.36,41.63 44.98,41.72 45.78,41.72 44.17,41.76 53.57,41.8 52.75,41.82 48.44,41.84 51.7,41.85 54.7,41.84 1.469,41.864 15.469,41.864 17.469,41.864 19.469,41.864 21.469,41.864 61.469,41.864 50.02,41.94 47.19,41.96 2.469,43.864 14.469,43.864 62.469,43.864 66.469,43.864 6.65,44.21 58.63,45.05 6.92,45.22 7.91,45.33 1.469,45.864 11.469,45.864 13.469,45.864 61.469,45.864 63.469,45.864 65.469,45.864 58.65,46.38 58.57,47.32 2.469,47.864 4.469,47.864 6.469,47.864 8.469,47.864 10.469,47.864 12.469,47.864 14.469,47.864 62.469,47.864
  other v2: 21.551,17.37 22.551,17.37 23.551,17.37 21.551,18.37 22.551,18.37 23.551,18.37 21.551,19.37 22.551,19.37 23.551,19.37
GPIO0: ESD5.1 pad.23 PROG2.5 R32.1 | length 5.3
  Top Layer w0.2: PROG2.5@17.14,36.38 17.145,36.385 17.145,38.393 pad.23@17.149,38.398
  Bottom Layer w0.2: PROG2.5@17.14,36.38 17.16,36.36 R32.1@17.16,33.07
GPIO0-1: R32.2 U4.5 | length 31.5
  Top Layer w0.2: v1(17.12,31.21) 17.14,31.19 17.14,26.612 18.877,24.875 18.877,15.426 20.26,14.043 26.037,14.043 26.82,14.826 v1(26.82,19.12)
  Bottom Layer w0.2: v1(17.12,31.21) 17.14,31.23 17.14,32.05 R32.2@17.16,32.07 ; U4.5@25.951,19.37 26.554,19.37 26.804,19.12 v1(26.82,19.12)
L_VDD: C30.1 C31.1 D5.1 FPC1.7 pad.2@35.64,20.903 R38.1 | length 11.9
  Top Layer w0.4: v1@34.115,20.788 v1(34.11,20.793) 35.53,20.793 pad.2@35.64,20.903 v1(37.23,20.903) ; v1@37.249,20.922 38.66,22.333 v1(38.66,23.51)
  Bottom Layer w0.4: C30.1@33.367,19.54 C30.1@33.39,19.563 C30.1@33.4,19.553 ; C31.1@33.42,20.873 C31.1@33.422,20.871 ; R38.1@33.447,18.617 R38.1@33.424,18.595 33.422,18.597 C31.1@33.422,20.871 ; v1(34.11,20.793) 34.091,20.812 33.481,20.812 C31.1@33.422,20.871 ; v1(37.23,20.903) D5.1@37.77,20.903 ; v1(38.66,23.51) 38.665,23.505 40.637,23.505 FPC1.7@40.642,23.51
LCD-CS: FR13.1 R26.2 | length 16.6
  Top Layer w0.2: v1(31.18,15.353) 31.77,15.943 31.77,16.848 29.99,18.628 29.99,25.283 v1(32.97,28.263)
  Bottom Layer w0.2: FR13.1@30.654,15.359 30.657,15.356 31.177,15.356 v1(31.18,15.353) ; v1(32.97,28.263) 32.99,28.284 33.9,28.284 R26.2@33.91,28.293
LCD-RESET: FR23.1 pad.16 R37.1 | length 14.8
  Top Layer w0.2: v1(31.89,21.873) 31.947,21.816 32.121,21.816 34.27,19.667 v1(34.27,12.363)
  Bottom Layer w0.2: FR23.1@30.654,12.315 30.678,12.339 34.246,12.339 v1(34.27,12.363) ; v1(31.89,21.873) 31.895,21.878 32.445,21.878 R37.1@32.45,21.883
LCD-RS: FR14.1 R27.2 | length 16.4
  Top Layer w0.2: v1(31.19,16.383) 29.54,18.033 29.54,25.783 v1(33.05,29.293)
  Bottom Layer w0.2: FR14.1@30.654,16.374 30.659,16.379 31.185,16.379 v1(31.19,16.383) ; v1(33.05,29.293) R27.2@33.91,29.293
LCD-SCK: FR12.1 R25.2 | length 1.1
  Bottom Layer w0.2: FR12.1@30.654,14.345 31.786,14.345
LCD-SDA: FR11.1 R24.2 | length 16.4
  Top Layer w0.2: v1(32.46,25.583) 30.56,23.683 30.56,18.923 32.56,16.923 v1(32.56,13.283)
  Bottom Layer w0.2: FR11.1@30.654,13.33 30.678,13.307 32.537,13.307 v1(32.56,13.283) ; R24.2@32.41,25.003 32.435,25.028 32.435,25.558 v1(32.46,25.583)
LEDA: D3.1 FPC1.9 pad.2@38.26,15.253 R14.1 R41.1 R44.1 | length 14
  Top Layer w0.4: pad.2@38.26,15.253 38.265,15.258 38.265,16.398 v1(38.27,16.403)
  Bottom Layer w0.4: R41.1@38.27,11.313 v1(38.27,16.403) 37.7,16.973 37.7,17.943 37.75,17.993 D3.1@37.76,17.993 37.8,18.033 38.32,18.033 38.56,18.273 38.56,21.266 38.794,21.5 FPC1.9@40.415,21.5
LEDK: C32.1 D4.1 FPC1.10 pad.2@41.2,13.718 Q5.D | length 13.2
  Top Layer w0.4: v1(41.1,14.783) 41.119,14.764 41.119,13.799 pad.2@41.2,13.718
  Bottom Layer w0.4: FPC1.10@40.735,20.603 39.65,20.603 39.55,20.503 39.55,15.633 39.95,15.233 40.65,15.233 v1(41.1,14.783) 41.1,14.143 D4.1@41.15,14.093 41.2,14.043 41.2,13.393 41.55,13.043 42.16,13.043 C32.1@42.2,13.003 42.185,12.988 42.185,11.542 Q5.D@42.17,11.527
MCU3V3: C11.1 C12.1 FR3.2 U4.2 U4.3 | length 6
  Bottom Layer w0.2: U4.3@25.951,20.17 26.503,20.17 26.62,20.287 26.62,20.403 26.454,20.57 U4.2@25.951,20.57
  Bottom Layer w0.4: 26.62,20.403 26.986,20.403 27.22,20.638 27.22,21.103 27.536,21.42 28.284,21.42 C12.1@28.3,21.403 28.31,21.393 C11.1@28.31,20.393 ; FR3.2@28.32,19.39 28.31,19.4 C11.1@28.31,20.393 ; C11.1@28.327,20.376 C11.1@28.31,20.393
NetC7_1: C7.1 C9.1 FR2.2 U4.55 U4.56 | length 6.9
  Bottom Layer w0.2: U4.55@24.751,21.77 24.751,22.335 24.92,22.503 25.02,22.503 25.151,22.372 U4.56@25.151,21.77
  Bottom Layer w0.4: 25.02,22.503 25.02,22.869 25.254,23.103 26.154,23.103 27.044,23.993 C9.1@27.42,23.993 FR2.2@29.42,23.993
NetC8_1: C8.1 R5.2 Y1.3 | length 2.3
  Bottom Layer w0.2: R5.2@25.32,24.203 C8.1@25.32,25.203 Y1.3@25.32,26.503
NetC34_1: C34.1 Q5.G R42.2 R43.2 | length 3.4
  Bottom Layer w0.3: R42.2@42.71,5.917 R43.2@42.71,6.857 42.71,8.617 43.12,9.027 Q5.G@43.12,9.177
NetQ1_2: Q1.2 R3.2 R6.2 | length 2.5
  Bottom Layer w0.3: R6.2@8.571,44.115 10.228,44.115 10.673,44.56 Q1.2@10.904,44.56
NetQ1_3: Q1.3 R4.2 R7.2 | length 24.8
  Top Layer w0.2: v1(23.59,40.98) 28.84,35.73 v1(31.88,35.73)
  Bottom Layer w0.2: Q1.3@13.173,43.61 13.173,42.067 14.26,40.98 v1(23.59,40.98) ; v1(31.88,35.73) 31.89,35.74 32.7,35.74 R7.2@32.71,35.75 R4.2@32.71,34.75 R4.2@32.68,34.78
NetQ2_2: Q2.2 R8.2 R10.1 | length 2.7
  Bottom Layer w0.2: R10.1@8.333,40.534 R8.2@9.313,40.534 10.243,40.534 10.673,40.964 Q2.2@10.823,40.964
NetQ2_3: Q2.3 R9.2 R11.1 | length 29.6
  Top Layer w0.2: v1(23.69,40.01) 28.57,35.13 v1(38.36,35.13)
  Bottom Layer w0.2: Q2.3@13.173,40.014 13.176,40.01 v1(23.69,40.01) ; R11.1@37.16,35.75 R9.2@37.16,34.75 ; R11.1@37.16,35.85 R11.1@37.165,35.845 ; R9.2@37.165,34.745 R9.2@37.16,34.75 ; v1(38.36,35.13) 38.342,35.13 37.962,34.75 R9.2@37.16,34.75
NetR13_2: R13.2 U3.2 | length 1.7
  Bottom Layer w0.3: R13.2@28.151,27.77 29.011,27.77 29.501,28.26 U3.2@29.651,28.26
NetR16_1: R16.1 U4.1 | length 3.2
  Bottom Layer w0.2: U4.1@25.951,20.97 26.573,20.97 26.69,21.087 26.69,21.493 27.631,22.434 R16.1@28.32,22.434
PM_SPI_CLK: FR8.1 pad.2@9.95,9.138 R17.2 R18.1 U6.6 | length 24.8
  Top Layer w0.2: v1(9.95,8.053) pad.2@9.95,9.138 v1(9.95,10.223)
  Bottom Layer w0.2: U6.6@6.074,14.067 6.08,14.073 7.14,14.073 7.33,13.883 7.33,12.093 7.72,11.703 9.73,11.703 9.951,11.482 R17.2@9.951,10.77 ; v1(9.95,8.053) 22.1,8.053 23.02,8.973 FR8.1@23.02,10.903 ; v1(9.95,10.223) R17.2@9.951,10.769
PM_SPI_CZ: FR6.1 pad.28 R12.2 U6.1 | length 28.3
  Top Layer w0.2: v1(12.19,16.563) 11.54,15.913 11.54,9.063 12.88,7.723 21.18,7.723 23.02,9.563 23.02,10.503 23.47,10.953 24.42,10.953 v1(25.14,10.233)
  Bottom Layer w0.2: v1(12.19,16.563) 13.33,16.563 U6.1@13.374,16.607 13.39,16.623 R12.2@13.39,18.903 ; FR6.1@25.136,10.903 25.138,10.901 25.138,10.235 v1(25.14,10.233)
PM_SPI_DI: FR7.1 pad.2@6.651,9.527 R19.2 R20.1 U6.5 | length 27.9
  Top Layer w0.2: v1(6.651,11.703) pad.2@6.651,9.527 6.802,9.376 6.802,7.701 8.28,6.223 11.88,6.223 12.98,7.323 23.09,7.323 24.11,8.343 v1(24.11,10.213)
  Bottom Layer w0.2: U6.5@6.074,12.797 6.451,12.797 6.651,12.597 v1(6.651,11.703) R20.1@6.651,10.77 ; FR7.1@24.078,10.903 24.094,10.887 24.094,10.229 v1(24.11,10.213)
PM_SPI_DO: FR9.1 pad.5 U6.2 | length 19.3
  Top Layer w0.2: v1(12.28,15.333) 12.28,14.263 12.28,9.543 13.7,8.123 20.8,8.123 21.96,9.283 v1(21.96,10.213)
  Bottom Layer w0.2: v1(12.28,15.333) 13.37,15.333 U6.2@13.374,15.337 ; v1(21.96,10.213) 21.961,10.214 21.961,10.902 FR9.1@21.962,10.903
PM_SPI_HLD: FR5.1 pad.2@9.9,5.283 R15.2 U6.7 | length 39.7
  Top Layer w0.2: v1(5.15,20.262) 4.82,19.932 v1(4.82,15.313) 4.82,8.993 8.23,5.583 9.9,5.583 11.96,5.583 13.3,6.923 24.09,6.923 26.2,9.033 v1(26.2,10.243)
  Bottom Layer w0.2: v1(4.82,15.313) 6.05,15.313 U6.7@6.074,15.337 ; v1(5.15,20.262) 5.457,19.955 5.457,19.686 R15.2@5.6,19.543 ; FR5.1@26.194,10.903 26.197,10.9 26.197,10.246 v1(26.2,10.243)